# KiCad board PiEEG.kicad_pcb (continued)
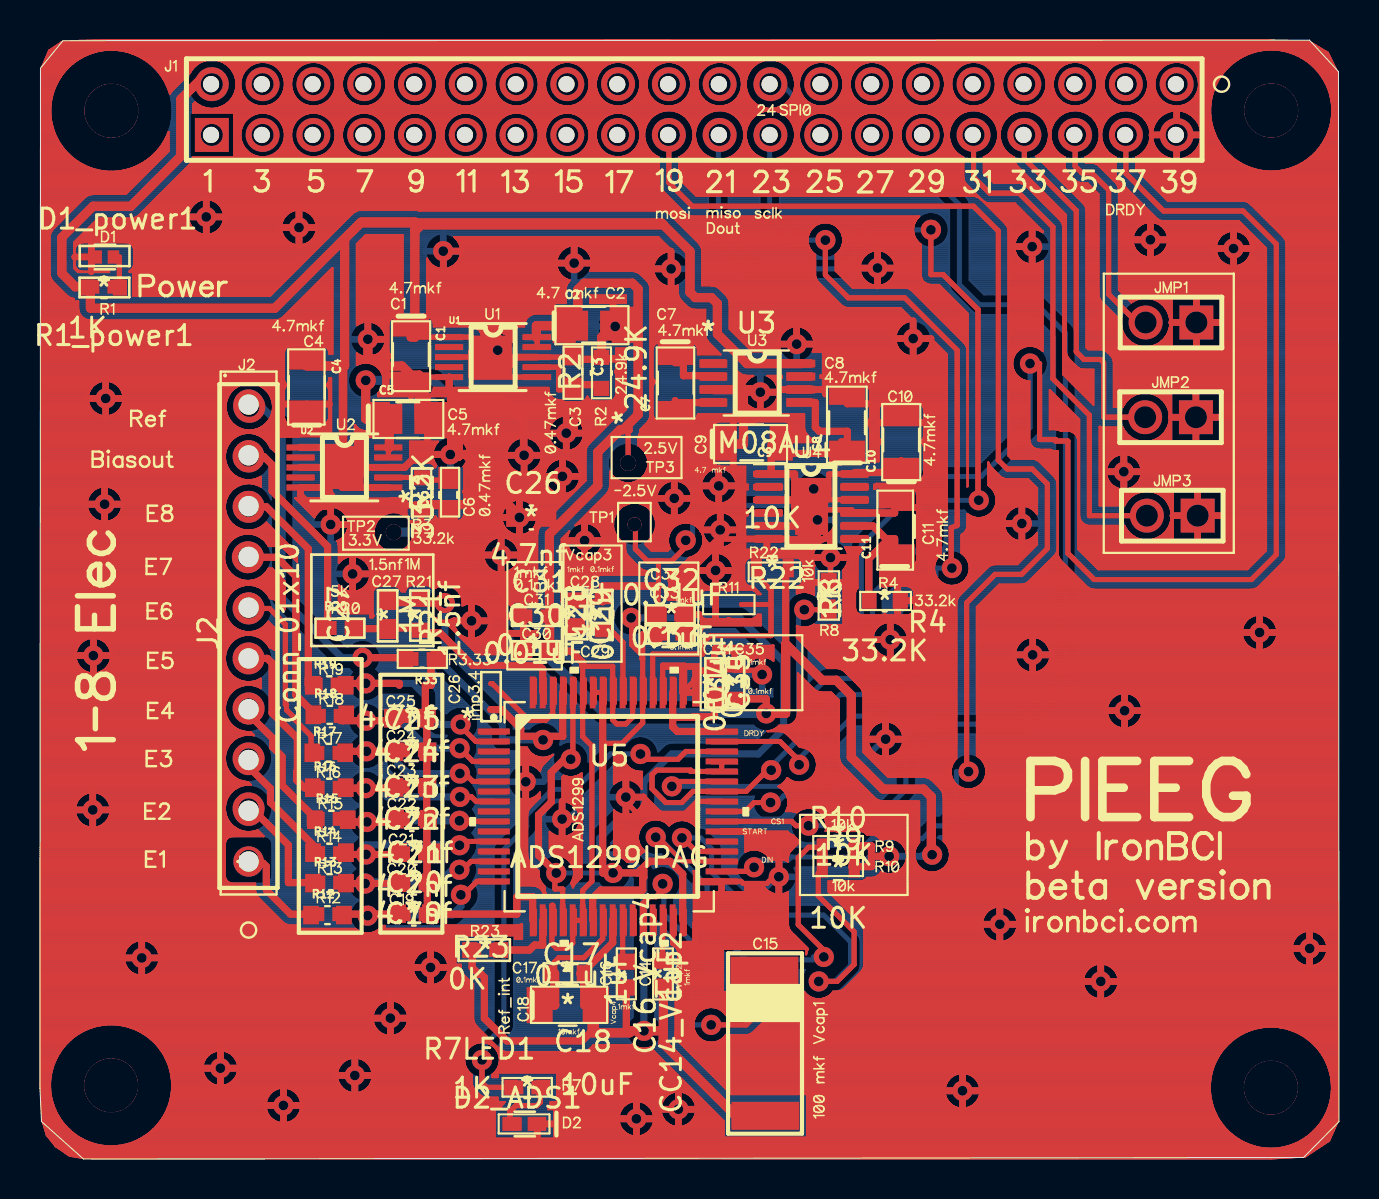
[diagram p0: board, top side]
## Routing (per net, layer and track width the routed paths; a pad name or vN(x,y) marks a point on that pad's centre or on a via; arc(x,y) is an arc through that point) (continued)
31.88,52.39 ; 32.06,52.31 32.15,52.26 ; 32.06,52.31 32.15,52.26 ; 54.73,33.66 54.67,33.62 ; 54.73,33.66 54.67,33.62 ; 54.73,33.66 54.78,33.7 ; 54.73,33.66 54.78,33.7 ; 54.67,33.62 54.61,33.58 ; 54.67,33.62 54.61,33.58 ; 10.41,28.92 10.31,28.93 ; 10.41,28.92 10.31,28.93 ; 10.41,28.92 10.51,28.93 ; 10.41,28.92 10.51,28.93 ; 10.31,28.93 10.21,28.94 ; 10.31,28.93 10.21,28.94 ; 12.26,40.52 12.29,40.57 ; 12.26,40.52 12.29,40.57 ; 12.26,40.52 12.23,40.47 ; 12.26,40.52 12.23,40.47 ; 12.29,40.57 12.34,40.61 ; 12.29,40.57 12.34,40.61 ; 15.07,31.02 15.01,30.99 ; 15.07,31.02 15.01,30.99 ; 15.07,31.02 15.12,31.07 ; 15.07,31.02 15.12,31.07 ; 15.01,30.99 14.95,30.95 ; 15.01,30.99 14.95,30.95 ; 57.21,52.42 57.28,52.39 ; 57.21,52.42 57.28,52.39 ; 57.28,52.39 57.36,52.36 ; 57.28,52.39 57.36,52.36 ; 26.47,37.2 26.54,37.18 ; 26.47,37.2 26.54,37.18 ; 26.47,37.2 26.4,37.2 ; 26.47,37.2 26.4,37.2 ; 26.54,37.18 26.61,37.16 ; 26.54,37.18 26.61,37.16 ; 11.89,1.84 11.83,1.86 ; 11.89,1.84 11.96,1.82 ; 11.89,1.84 11.96,1.82 ; 11.89,1.84 11.83,1.86 ; 11.83,1.86 11.77,1.89 ; 11.83,1.86 11.77,1.89 ; 21.48,5.58 21.51,5.62 ; 21.48,5.58 21.44,5.55 ; 21.48,5.58 21.51,5.62 ; 21.48,5.58 21.44,5.55 ; 21.51,5.62 21.55,5.65 ; 21.51,5.62 21.55,5.65 ; 28.11,53 28.04,53.08 ; 28.11,53 28.04,53.08 ; 28.04,53.08 27.99,53.16 ; 28.04,53.08 27.99,53.16 ; 52.3,9.36 52.34,9.42 ; 52.3,9.36 52.27,9.3 ; 52.3,9.36 52.27,9.3 ; 52.3,9.36 52.34,9.42 ; 52.34,9.42 52.39,9.47 ; 52.34,9.42 52.39,9.47 ; 11.03,31.11 11.12,31.05 ; 11.03,31.11 11.12,31.05 ; 11.03,31.11 10.95,31.16 ; 11.03,31.11 10.95,31.16 ; 11.12,31.05 11.19,30.98 ; 11.12,31.05 11.19,30.98 ; 33.64,36.55 33.64,35.62 33.64,36.55 ; 12.01,51.93 12.07,51.85 ; 12.01,51.93 11.94,52 ; 12.01,51.93 12.07,51.85 ; 12.01,51.93 11.94,52 ; 12.07,51.85 12.12,51.76 ; 12.07,51.85 12.12,51.76 ; 54.02,54.85 54.12,54.87 ; 54.02,54.85 53.92,54.82 ; 54.02,54.85 53.92,54.82 ; 54.02,54.85 54.12,54.87 ; 49.02,24.6 48.97,24.65 ; 49.02,24.6 48.97,24.65 ; 16.64,6.92 16.66,6.85 ; 16.64,6.92 16.66,6.85 ; 42.24,45.4 42.3,45.37 ; 42.24,45.4 42.18,45.42 ; 42.24,45.4 42.3,45.37 ; 42.24,45.4 42.18,45.42 ; 42.3,45.37 42.36,45.33 ; 42.3,45.37 42.36,45.33 ; 64.3,10.12 64.26,10.06 ; 64.3,10.12 64.26,10.06 ; 44.2,19.12 44.25,19.12 ; 44.2,19.12 42.42,19.12 ; 44.2,19.12 44.25,19.12 ; 44.2,19.12 42.42,19.12 ; 44.25,19.12 44.29,19.11 ; 44.25,19.12 44.29,19.11 ; 18.18,52.82 18.27,52.77 ; 18.18,52.82 18.27,52.77 ; 50.09,50.34 50.01,50.27 ; 50.09,50.34 50.16,50.41 ; 50.09,50.34 50.16,50.41 ; 50.09,50.34 50.01,50.27 ; 50.01,50.27 49.93,50.21 ; 50.01,50.27 49.93,50.21 ; 41.76,45.46 41.83,45.46 ; 41.76,45.46 41.69,45.44 ; 41.76,45.46 41.83,45.46 ; 41.76,45.46 41.69,45.44 ; 41.83,45.46 41.9,45.47 ; 41.83,45.46 41.9,45.47 ; 29.13,18.98 29.2,18.99 ; 29.13,18.98 29.06,18.96 ; 29.13,18.98 29.2,18.99 ; 29.13,18.98 29.06,18.96 ; 23.28,31.09 23.35,31.07 ; 23.28,31.09 23.35,31.07 ; 2.39,24.34 2.32,24.37 ; 2.39,24.34 2.45,24.32 ; 2.39,24.34 2.45,24.32 ; 2.39,24.34 2.32,24.37 ; 2.32,24.37 2.26,24.4 ; 2.32,24.37 2.26,24.4 ; 11.93,30.66 11.97,30.65 ; 11.93,30.66 11.97,30.65 ; 11.93,30.66 11.89,30.67 ; 11.93,30.66 11.89,30.67 ; 11.97,30.65 12.02,30.64 ; 11.97,30.65 12.02,30.64 ; 1.11,50.63 1.03,50.75 ; 1.11,50.63 1.03,50.75 ; 1.11,50.63 1.21,50.51 ; 1.11,50.63 1.21,50.51 ; 1.03,50.75 0.95,50.88 ; 1.03,50.75 0.95,50.88 ; 58.73,53.54 58.79,53.68 ; 58.73,53.54 58.79,53.68 ; 58.73,53.54 58.68,53.4 ; 58.73,53.54 58.68,53.4 ; 58.79,53.68 58.85,53.81 ; 58.79,53.68 58.85,53.81 ; 31.87,9.21 31.9,9.15 ; 31.87,9.21 31.87,9.26 ; 31.87,9.21 31.9,9.15 ; 31.87,9.21 31.87,9.26 ; 31.9,9.15 31.91,9.1 ; 31.9,9.15 31.91,9.1 ; 2.38,32.49 2.36,32.56 ; 2.38,32.49 2.4,32.43 ; 2.38,32.49 2.4,32.43 ; 2.38,32.49 2.36,32.56 ; 2.36,32.56 2.35,32.63 ; 2.36,32.56 2.35,32.63 ; 30.71,2.15 30.72,2.08 ; 30.71,2.15 30.72,2.08 ; 30.71,2.15 30.7,2.22 ; 30.71,2.15 30.7,2.22 ; 30.72,2.08 30.72,2.01 ; 30.72,2.08 30.72,2.01 ; 33.09,50.39 33.03,50.47 ; 33.09,50.39 33.16,50.32 ; 33.09,50.39 33.16,50.32 ; 33.09,50.39 33.03,50.47 ; 33.03,50.47 32.97,50.55 ; 33.03,50.47 32.97,50.55 ; 3.43,38.93 3.5,38.91 ; 3.43,38.93 3.36,38.94 ; 3.43,38.93 3.5,38.91 ; 3.43,38.93 3.36,38.94 ; 3.5,38.91 3.57,38.89 ; 3.5,38.91 3.57,38.89 ; 20.36,9.92 20.39,9.86 ; 20.36,9.92 20.34,9.98 ; 20.36,9.92 20.34,9.98 ; 20.36,9.92 20.39,9.86 ; 19.77,34.61 19.8,34.66 ; 19.77,34.61 19.77,34.61 ; 19.77,34.61 19.77,34.61 ; 19.77,34.61 19.8,34.66 ; 19.8,34.66 19.81,34.69 ; 19.8,34.66 19.81,34.69 ; 35.27,39.19 35.22,39.2 ; 35.27,39.19 35.32,39.18 ; 35.27,39.19 35.32,39.18 ; 35.27,39.19 35.22,39.2 ; 35.22,39.2 35.18,39.21 ; 35.22,39.2 35.18,39.21 ; 46.53,52.46 46.63,52.47 ; 46.53,52.46 46.63,52.47 ; 4.11,32.61 4.1,32.54 ; 4.11,32.61 4.12,32.68 ; 4.11,32.61 4.1,32.54 ; 4.11,32.61 4.12,32.68 ; 4.1,32.54 4.08,32.48 ; 4.1,32.54 4.08,32.48 ; 34.57,52.82 34.48,52.77 ; 34.57,52.82 34.48,52.77 ; 60.18,6.29 60.32,6.36 ; 60.18,6.29 60.05,6.22 ; 60.18,6.29 60.05,6.22 ; 60.18,6.29 60.32,6.36 ; 60.32,6.36 60.46,6.41 ; 60.32,6.36 60.46,6.41 ; 9.46,34.47 9.41,34.55 ; 9.46,34.47 9.41,34.55 ; 9.41,34.55 9.36,34.64 ; 9.41,34.55 9.36,34.64 ; 2.57,38.58 2.53,38.52 ; 2.57,38.58 2.53,38.52 ; 10.39,33.96 10.29,33.97 ; 10.39,33.96 10.49,33.96 ; 10.39,33.96 10.49,33.96 ; 10.39,33.96 10.29,33.97 ; 43.76,46.87 43.78,46.92 ; 43.76,46.87 43.74,46.83 ; 43.76,46.87 43.78,46.92 ; 43.76,46.87 43.74,46.83 ; 43.78,46.92 43.81,46.96 ; 43.78,46.92 43.81,46.96 ; 46.76,32.09 46.71,32.1 ; 46.76,32.09 46.81,32.08 ; 46.76,32.09 46.71,32.1 ; 46.76,32.09 46.81,32.08 ; 46.71,32.1 46.66,32.12 ; 46.71,32.1 46.66,32.12 ; 3.02,44.4 2.09,44.4 ; 3.02,44.4 3.07,44.4 ; 3.02,44.4 2.09,44.4 ; 3.02,44.4 3.07,44.4 ; 2.09,44.4 2.05,44.4 ; 2.09,44.4 2.05,44.4 ; 52.26,54.78 52.35,54.73 ; 52.26,54.78 52.17,54.82 ; 52.26,54.78 52.17,54.82 ; 52.26,54.78 52.35,54.73 ; 59.01,50.81 58.94,50.93 ; 59.01,50.81 58.94,50.93 ; 58.94,50.93 58.86,51.07 ; 58.94,50.93 58.86,51.07 ; 24.7,32.62 24.74,32.56 ; 24.7,32.62 24.66,32.67 ; 24.7,32.62 24.74,32.56 ; 24.7,32.62 24.66,32.67 ; 24.74,32.56 24.78,32.5 ; 24.74,32.56 24.78,32.5 ; 10,34.04 9.91,34.08 ; 10,34.04 9.91,34.08 ; 9.91,34.08 9.82,34.13 ; 9.91,34.08 9.82,34.13 ; 49.04,30.91 48.97,30.91 ; 49.04,30.91 48.97,30.91 ; 49.04,30.91 49.11,30.9 ; 49.04,30.91 49.11,30.9 ; 48.97,30.91 48.91,30.93 ; 48.97,30.91 48.91,30.93 ; 31.47,30.61 31.46,30.66 ; 31.47,30.61 31.5,30.55 ; 31.47,30.61 31.5,30.55 ; 31.47,30.61 31.46,30.66 ; 31.46,30.66 31.44,30.7 ; 31.46,30.66 31.44,30.7 ; 0.97,5.31 1.05,5.43 ; 0.97,5.31 1.05,5.43 ; 56.42,46.12 56.43,46.05 ; 56.42,46.12 56.43,46.05 ; 7.97,46.31 7.9,46.34 ; 7.97,46.31 8.03,46.29 ; 7.97,46.31 8.03,46.29 ; 7.97,46.31 7.9,46.34 ; 10.4,21.23 10.5,21.23 ; 10.4,21.23 10.5,21.23 ; 10.4,21.23 10.31,21.22 ; 10.4,21.23 10.31,21.22 ; 10.5,21.23 10.6,21.22 ; 10.5,21.23 10.6,21.22 ; 20.19,53.62 20.18,53.72 ; 20.19,53.62 20.21,53.53 ; 20.19,53.62 20.21,53.53 ; 20.19,53.62 20.18,53.72 ; 20.18,53.72 20.18,53.82 ; 20.18,53.72 20.18,53.82 ; 40.96,50.33 41.04,50.28 ; 40.96,50.33 41.04,50.28 ; 37.14,52.31 37.23,52.26 ; 37.14,52.31 37.23,52.26 ; 51.14,52.29 51.23,52.34 ; 51.14,52.29 51.06,52.24 ; 51.14,52.29 51.23,52.34 ; 51.14,52.29 51.06,52.24 ; 51.23,52.34 51.32,52.38 ; 51.23,52.34 51.32,52.38 ; 15.08,28.57 15.03,28.62 ; 15.08,28.57 15.14,28.53 ; 15.08,28.57 15.03,28.62 ; 15.08,28.57 15.14,28.53 ; 15.03,28.62 14.98,28.67 ; 15.03,28.62 14.98,28.67 ; 21.6,4.22 21.56,4.26 ; 21.6,4.22 21.6,3.87 ; 21.6,4.22 21.6,3.87 ; 21.6,4.22 21.56,4.26 ; 21.56,4.26 21.52,4.29 ; 21.56,4.26 21.52,4.29 ; 38.27,52 38.2,51.93 ; 38.27,52 38.2,51.93 ; 60.16,44.79 60.1,44.75 ; 60.16,44.79 60.1,44.75 ; 63.96,9.77 63.9,9.73 ; 63.96,9.77 64.02,9.81 ; 63.96,9.77 64.02,9.81 ; 63.96,9.77 63.9,9.73 ; 63.9,9.73 63.84,9.71 ; 63.9,9.73 63.84,9.71 ; 25.39,51.76 25.45,51.85 ; 25.39,51.76 25.45,51.85 ; 25.45,51.85 25.5,51.93 ; 25.45,51.85 25.5,51.93 ; 55.75,35.97 55.84,36.02 ; 55.75,35.97 55.84,36.02 ; 9.43,5.34 9.49,5.3 ; 9.43,5.34 9.37,5.37 ; 9.43,5.34 9.37,5.37 ; 9.43,5.34 9.49,5.3 ; 9.49,5.3 9.55,5.26 ; 9.49,5.3 9.55,5.26 ; 39.81,13.9 39.75,13.89 ; 39.81,13.9 39.75,13.89 ; 49.97,52.94 49.89,52.87 ; 49.97,52.94 50.04,53 ; 49.97,52.94 49.89,52.87 ; 49.97,52.94 50.04,53 ; 49.89,52.87 49.81,52.82 ; 49.89,52.87 49.81,52.82 ; 31.96,29.56 31.94,29.54 ; 31.96,29.56 31.94,29.54 ; 31.96,29.56 32.48,30.08 ; 31.96,29.56 32.48,30.08 ; 35.4,32.44 35.28,32.44 ; 35.4,32.44 35.4,32.21 ; 35.4,32.44 35.28,32.44 ; 35.4,32.44 35.4,32.21 ; 35.28,32.44 35.28,33.51 ; 35.28,32.44 35.28,33.51 ; 49.68,35.03 49.72,35.03 ; 49.68,35.03 49.64,35.03 ; 49.68,35.03 49.64,35.03 ; 49.68,35.03 49.72,35.03 ; 49.72,35.03 49.76,35.02 ; 49.72,35.03 49.76,35.02 ; 33.66,25.26 33.71,25.26 ; 33.66,25.26 33.71,25.26 ; 29.11,52.33 29.21,52.31 ; 29.11,52.33 29.02,52.34 ; 29.11,52.33 29.02,52.34 ; 29.11,52.33 29.21,52.31 ; 29.21,52.31 29.31,52.28 ; 29.21,52.31 29.31,52.28 ; 47.03,3.33 47.02,3.26 ; 47.03,3.33 47.03,3.4 ; 47.03,3.33 47.02,3.26 ; 47.03,3.33 47.03,3.4 ; 47.02,3.26 47.01,3.2 ; 47.02,3.26 47.01,3.2 ; 50.29,25.85 50.33,25.8 ; 50.29,25.85 50.24,25.9 ; 50.29,25.85 50.24,25.9 ; 50.29,25.85 50.33,25.8 ; 62.26,0.6 62.11,0.57 ; 62.26,0.6 62.11,0.57 ; 31.35,16.8 31.39,16.77 ; 31.35,16.8 31.31,16.83 ; 31.35,16.8 31.39,16.77 ; 31.35,16.8 31.31,16.83 ; 31.39,16.77 31.43,16.74 ; 31.39,16.77 31.43,16.74 ; 35.31,51.11 35.3,51.21 ; 35.31,51.11 35.3,51.21 ; 35.31,51.11 35.32,51.01 ; 35.31,51.11 35.32,51.01 ; 34.35,32.88 34.28,32.85 ; 34.35,32.88 34.41,32.91 ; 34.35,32.88 34.41,32.91 ; 34.35,32.88 34.28,32.85 ; 54.97,34.84 55.01,34.78 ; 54.97,34.84 55.01,34.78 ; 54.97,34.84 54.94,34.9 ; 54.97,34.84 54.94,34.9 ; 55.01,34.78 55.04,34.72 ; 55.01,34.78 55.04,34.72 ; 26.67,52.31 26.77,52.28 ; 26.67,52.31 26.57,52.33 ; 26.67,52.31 26.77,52.28 ; 26.67,52.31 26.57,52.33 ; 26.77,52.28 26.86,52.24 ; 26.77,52.28 26.86,52.24 ; 26.12,37.18 26.19,37.2 ; 26.12,37.18 26.19,37.2 ; 26.12,37.18 26.06,37.17 ; 26.12,37.18 26.06,37.17 ; 26.19,37.2 26.26,37.2 ; 26.19,37.2 26.26,37.2 ; 55.01,50.21 54.93,50.16 ; 55.01,50.21 55.09,50.27 ; 55.01,50.21 54.93,50.16 ; 55.01,50.21 55.09,50.27 ; 54.93,50.16 54.84,50.12 ; 54.93,50.16 54.84,50.12 ; 56.23,37.9 56.29,37.82 ; 56.23,37.9 56.16,37.97 ; 56.23,37.9 56.16,37.97 ; 56.23,37.9 56.29,37.82 ; 56.29,37.82 56.34,37.73 ; 56.29,37.82 56.34,37.73 ; 49.21,46.44 49.27,46.47 ; 49.21,46.44 49.27,46.47 ; 49.21,46.44 49.15,46.4 ; 49.21,46.44 49.15,46.4 ; 49.27,46.47 49.34,46.49 ; 49.27,46.47 49.34,46.49 ; 1.77,17.68 1.79,17.75 ; 1.77,17.68 1.76,17.61 ; 1.77,17.68 1.76,17.61 ; 1.77,17.68 1.79,17.75 ; 1.79,17.75 1.82,17.81 ; 1.79,17.75 1.82,17.81 ; 30.02,16.53 30.04,16.57 ; 30.02,16.53 29.99,16.49 ; 30.02,16.53 29.99,16.49 ; 30.02,16.53 30.04,16.57 ; 30.04,16.57 30.07,16.62 ; 30.04,16.57 30.07,16.62 ; 47.74,12.6 47.81,12.61 ; 47.74,12.6 47.67,12.57 ; 47.74,12.6 47.67,12.57 ; 47.74,12.6 47.81,12.61 ; 47.81,12.61 47.88,12.63 ; 47.81,12.61 47.88,12.63 ; 2.41,33.11 2.44,33.17 ; 2.41,33.11 2.39,33.04 ; 2.41,33.11 2.39,33.04 ; 2.41,33.11 2.44,33.17 ; 2.44,33.17 2.47,33.23 ; 2.44,33.17 2.47,33.23 ; 46.44,32.23 46.39,32.27 ; 46.44,32.23 46.48,32.2 ; 46.44,32.23 46.48,32.2 ; 46.44,32.23 46.39,32.27 ; 46.39,32.27 46.39,31.69 ; 46.39,32.27 46.39,31.69 ; 37.85,16.01 37.81,16.04 ; 37.85,16.01 37.81,16.04 ; 37.85,16.01 37.89,15.98 ; 37.85,16.01 37.89,15.98 ; 37.81,16.04 37.78,16.08 ; 37.81,16.04 37.78,16.08 ; 49.47,52.45 49.57,52.42 ; 49.47,52.45 49.57,52.42 ; 49.47,52.45 49.37,52.46 ; 49.47,52.45 49.37,52.46 ; 49.57,52.42 49.66,52.39 ; 49.57,52.42 49.66,52.39 ; 36.71,21.49 36.67,21.47 ; 36.71,21.49 36.67,21.47 ; 36.71,21.49 36.76,21.51 ; 36.71,21.49 36.76,21.51 ; 36.67,21.47 36.62,21.45 ; 36.67,21.47 36.62,21.45 ; 37.52,54.52 37.45,54.6 ; 37.52,54.52 37.45,54.6 ; 25.71,38.03 25.68,38.05 ; 25.71,38.03 25.75,38.01 ; 25.71,38.03 25.68,38.05 ; 25.71,38.03 25.75,38.01 ; 25.68,38.05 25.64,38.07 ; 25.68,38.05 25.64,38.07 ; 3.05,0.68 2.91,0.7 ; 3.05,0.68 2.91,0.7 ; 50.15,40.42 50.15,44.93 ; 50.15,40.42 50.15,44.93 ; 50.15,40.42 50.11,40.46 ; 50.15,40.42 50.11,40.46 ; 50.15,44.93 50.1,44.89 ; 50.15,44.93 50.1,44.89 ; 16.7,52.77 16.61,52.73 ; 16.7,52.77 16.79,52.82 ; 16.7,52.77 16.61,52.73 ; 16.7,52.77 16.79,52.82 ; 16.61,52.73 16.51,52.7 ; 16.61,52.73 16.51,52.7 ; 32.62,33.05 32.62,33.04 ; 32.62,33.05 32.62,33.12 ; 32.62,33.05 32.62,33.04 ; 32.62,33.05 32.62,33.12 ; 32.62,33.04 32.61,32.97 ; 32.62,33.04 32.61,32.97 ; 17.12,11.67 17.09,11.62 ; 17.12,11.67 17.09,11.62 ; 17.12,11.67 17.25,11.67 ; 17.12,11.67 17.25,11.67 ; 17.09,11.62 17.05,11.58 ; 17.09,11.62 17.05,11.58 ; 35.62,37.57 35.56,37.61 ; 35.62,37.57 35.56,37.61 ; 35.62,37.57 35.68,37.54 ; 35.62,37.57 35.68,37.54 ; 35.56,37.61 35.5,37.65 ; 35.56,37.61 35.5,37.65 ; 30.11,5.52 30.06,5.53 ; 30.11,5.52 30.16,5.52 ; 30.11,5.52 30.16,5.52 ; 30.11,5.52 30.06,5.53 ; 30.06,5.53 30.01,5.54 ; 30.06,5.53 30.01,5.54 ; 16.61,3.96 16.59,3.9 ; 16.61,3.96 16.63,4.03 ; 16.61,3.96 16.63,4.03 ; 16.61,3.96 16.59,3.9 ; 16.59,3.9 16.57,3.83 ; 16.59,3.9 16.57,3.83 ; 2,16.84 1.96,16.89 ; 2,16.84 2.05,16.79 ; 2,16.84 1.96,16.89 ; 2,16.84 2.05,16.79 ; 1.96,16.89 1.91,16.95 ; 1.96,16.89 1.91,16.95 ; 21.13,27.69 21.19,27.72 ; 21.13,27.69 21.19,27.72 ; 21.13,27.69 21.14,27.77 ; 21.13,27.69 21.14,27.77 ; 21.19,27.72 21.25,27.75 ; 21.19,27.72 21.25,27.75 ; 17.59,6.16 17.52,6.16 ; 17.59,6.16 17.66,6.17 ; 17.59,6.16 17.66,6.17 ; 17.59,6.16 17.52,6.16 ; 17.52,6.16 17.45,6.16 ; 17.52,6.16 17.45,6.16 ; 10.88,23.95 10.79,23.91 ; 10.88,23.95 10.97,23.99 ; 10.88,23.95 10.97,23.99 ; 10.88,23.95 10.79,23.91 ; 10.79,23.91 10.69,23.89 ; 10.79,23.91 10.69,23.89 ; 47.21,52.35 47.3,52.31 ; 47.21,52.35 47.12,52.39 ; 47.21,52.35 47.3,52.31 ; 47.21,52.35 47.12,52.39 ; 35.31,53.95 35.3,53.85 ; 35.31,53.95 35.3,53.85 ; 29.94,15.85 29.93,15.9 ; 29.94,15.85 29.93,15.9 ; 29.94,15.85 29.96,15.81 ; 29.94,15.85 29.96,15.81 ; 29.93,15.9 29.92,15.95 ; 29.93,15.9 29.92,15.95 ; 60.79,49.51 60.64,49.55 ; 60.79,49.51 60.93,49.47 ; 60.79,49.51 60.93,49.47 ; 60.79,49.51 60.64,49.55 ; 60.64,49.55 60.5,49.6 ; 60.64,49.55 60.5,49.6 ; 57.89,51.9 57.94,51.83 ; 57.89,51.9 57.85,51.97 ; 57.89,51.9 57.94,51.83 ; 57.89,51.9 57.85,51.97 ; 57.94,51.83 57.97,51.76 ; 57.94,51.83 57.97,51.76 ; 12.86,3.26 12.9,3.2 ; 12.86,3.26 12.9,3.2 ; 12.86,3.26 12.81,3.31 ; 12.86,3.26 12.81,3.31 ; 12.9,3.2 12.94,3.14 ; 12.9,3.2 12.94,3.14 ; 18.67,9.38 18.69,9.32 ; 18.67,9.38 18.69,9.32 ; 32.96,30.36 33,30.4 ; 32.96,30.36 33,30.4 ; 29.91,16.15 29.91,16.2 ; 29.91,16.15 29.91,16.1 ; 29.91,16.15 29.91,16.2 ; 29.91,16.15 29.91,16.1 ; 29.91,16.2 29.92,16.25 ; 29.91,16.2 29.92,16.25 ; 53.04,40.51 53.08,40.51 ; 53.04,40.51 52.43,40.51 ; 53.04,40.51 53.08,40.51 ; 53.04,40.51 52.43,40.51 ; 53.08,40.51 53.12,40.51 ; 53.08,40.51 53.12,40.51 ; 35.75,37.52 35.68,37.54 ; 35.75,37.52 35.81,37.5 ; 35.75,37.52 35.81,37.5 ; 35.75,37.52 35.68,37.54 ; 44.28,14.4 44.24,14.42 ; 44.28,14.4 44.24,14.42 ; 44.24,14.42 44.19,14.44 ; 44.24,14.42 44.19,14.44 ; 53,32.7 54.24,32.7 ; 53,32.7 53,36.61 ; 53,32.7 53,36.61 ; 53,32.7 54.24,32.7 ; 54.24,32.7 54.29,32.78 ; 54.24,32.7 54.29,32.78 ; 12.32,38.7 12.34,38.72 ; 12.32,38.7 12.29,38.67 ; 12.32,38.7 12.34,38.72 ; 12.32,38.7 12.29,38.67 ; 42.89,40.63 42.86,40.69 ; 42.89,40.63 42.86,40.69 ; 42.89,40.63 42.92,40.57 ; 42.89,40.63 42.92,40.57 ; 42.86,40.69 42.83,40.76 ; 42.86,40.69 42.83,40.76 ; 36.16,13.72 36.13,13.79 ; 36.16,13.72 36.13,13.79 ; 36.16,13.72 36.19,13.66 ; 36.16,13.72 36.19,13.66 ; 36.13,13.79 36.12,13.8 ; 36.13,13.79 36.12,13.8 ; 32.24,31.84 32.29,31.85 ; 32.24,31.84 32.29,31.85 ; 32.24,31.84 32.19,31.84 ; 32.24,31.84 32.19,31.84 ; 32.29,31.85 32.34,31.84 ; 32.29,31.85 32.34,31.84 ; 33.95,30.58 33.88,30.59 ; 33.95,30.58 33.88,30.59 ; 33.95,30.58 34.02,30.58 ; 33.95,30.58 34.02,30.58 ; 52.19,31.77 52.16,31.8 ; 52.19,31.77 52.22,31.75 ; 52.19,31.77 52.16,31.8 ; 52.19,31.77 52.22,31.75 ; 52.16,31.8 52.13,31.83 ; 52.16,31.8 52.13,31.83 ; 26.09,31.02 26.47,31.4 ; 26.09,31.02 26.47,31.4 ; 57.97,51.76 58,51.69 ; 57.97,51.76 58,51.69 ; 58,51.69 58.03,51.61 ; 58,51.69 58.03,51.61 ; 16.54,11.3 16.49,11.29 ; 16.54,11.3 16.59,11.31 ; 16.54,11.3 16.49,11.29 ; 16.54,11.3 16.59,11.31 ; 16.49,11.29 16.44,11.29 ; 16.49,11.29 16.44,11.29 ; 12.65,51.67 12.69,51.76 ; 12.65,51.67 12.69,51.76 ; 12.65,51.67 12.62,51.58 ; 12.65,51.67 12.62,51.58 ; 12.69,51.76 12.75,51.85 ; 12.69,51.76 12.75,51.85 ; 18.86,50.12 18.76,50.12 ; 18.86,50.12 18.95,50.14 ; 18.86,50.12 18.95,50.14 ; 18.86,50.12 18.76,50.12 ; 18.76,50.12 18.66,50.12 ; 18.76,50.12 18.66,50.12 ; 14.73,33.2 14.7,33.23 ; 14.73,33.2 14.7,33.23 ; 21.3,52.66 21.2,52.66 ; 21.3,52.66 21.2,52.66 ; 9.43,30.79 9.49,30.87 ; 9.43,30.79 9.38,30.71 ; 9.43,30.79 9.38,30.71 ; 9.43,30.79 9.49,30.87 ; 9.49,30.87 9.56,30.94 ; 9.49,30.87 9.56,30.94 ; 49.22,40.64 49.27,40.65 ; 49.22,40.64 49.18,40.62 ; 49.22,40.64 49.18,40.62 ; 49.22,40.64 49.27,40.65 ; 49.27,40.65 49.32,40.67 ; 49.27,40.65 49.32,40.67 ; 48.3,52.04 48.37,52.11 ; 48.3,52.04 48.24,51.96 ; 48.3,52.04 48.37,52.11 ; 48.3,52.04 48.24,51.96 ; 48.37,52.11 48.44,52.18 ; 48.37,52.11 48.44,52.18 ; 26.59,35.46 26.52,35.45 ; 26.59,35.46 26.66,35.49 ; 26.59,35.46 26.52,35.45 ; 26.59,35.46 26.66,35.49 ; 26.52,35.45 26.46,35.43 ; 26.52,35.45 26.46,35.43 ; 33.49,30.76 33.44,30.8 ; 33.49,30.76 33.55,30.72 ; 33.49,30.76 33.55,30.72 ; 33.49,30.76 33.44,30.8 ; 33.44,30.8 33.39,30.85 ; 33.44,30.8 33.39,30.85 ; 25.11,35.2 25.1,35.13 ; 25.11,35.2 25.1,35.13 ; 25.1,35.13 25.09,35.06 ; 25.1,35.13 25.09,35.06 ; 53.97,21.58 53.9,21.61 ; 53.97,21.58 54.03,21.56 ; 53.97,21.58 53.9,21.61 ; 53.97,21.58 54.03,21.56 ; 53.9,21.61 53.84,21.64 ; 53.9,21.61 53.84,21.64 ; 40.1,8.43 40.07,8.41 ; 40.1,8.43 40.14,8.45 ; 40.1,8.43 40.14,8.45 ; 40.1,8.43 40.07,8.41 ; 40.07,8.41 40.03,8.4 ; 40.07,8.41 40.03,8.4 ; 30.03,1.14 29.96,1.13 ; 30.03,1.14 30.1,1.16 ; 30.03,1.14 30.1,1.16 ; 30.03,1.14 29.96,1.13 ; 29.96,1.13 29.89,1.12 ; 29.96,1.13 29.89,1.12 ; 37.8,17.36 37.84,17.34 ; 37.8,17.36 37.84,17.34 ; 37.8,17.36 37.76,17.38 ; 37.8,17.36 37.76,17.38 ; 37.84,17.34 37.88,17.37 ; 37.84,17.34 37.88,17.37 ; 23.07,2.65 23.09,2.68 ; 23.07,2.65 23.05,2.61 ; 23.07,2.65 23.09,2.68 ; 23.07,2.65 23.05,2.61 ; 23.09,2.68 23.12,2.71 ; 23.09,2.68 23.12,2.71 ; 39.1,8.01 39.05,8 ; 39.1,8.01 39.15,8.02 ; 39.1,8.01 39.05,8 ; 39.1,8.01 39.15,8.02 ; 39.05,8 39,8 ; 39.05,8 39,8 ; 24.96,20.1 24.92,20.11 ; 24.96,20.1 25.01,20.09 ; 24.96,20.1 25.01,20.09 ; 24.96,20.1 24.92,20.11 ; 24.92,20.11 24.87,20.12 ; 24.92,20.11 24.87,20.12 ; 38.74,30.49 38.78,30.55 ; 38.74,30.49 38.78,30.55 ; 3.18,44.43 3.14,44.42 ; 3.18,44.43 3.22,44.45 ; 3.18,44.43 3.14,44.42 ; 3.18,44.43 3.22,44.45 ; 3.14,44.42 3.11,44.41 ; 3.14,44.42 3.11,44.41 ; 23.1,5.41 23.06,5.43 ; 23.1,5.41 23.06,5.43 ; 24.47,42.18 24.51,42.21 ; 24.47,42.18 24.51,42.21 ; 24.47,42.18 24.43,42.15 ; 24.47,42.18 24.43,42.15 ; 43.85,31.49 43.87,31.44 ; 43.85,31.49 43.87,31.44 ; 43.87,31.44 43.88,31.38 ; 43.87,31.44 43.88,31.38 ; 35.5,37.65 35.44,37.69 ; 35.5,37.65 35.44,37.69 ; 35.44,37.69 35.39,37.74 ; 35.44,37.69 35.39,37.74 ; 9.36,24.54 9.32,24.63 ; 9.36,24.54 9.41,24.45 ; 9.36,24.54 9.32,24.63 ; 9.36,24.54 9.41,24.45 ; 9.32,24.63 9.29,24.73 ; 9.32,24.63 9.29,24.73 ; 38.86,19.78 38.86,19.73 ; 38.86,19.78 38.86,19.73 ; 38.86,19.78 38.86,19.83 ; 38.86,19.78 38.86,19.83 ; 38.86,19.73 38.86,19.68 ; 38.86,19.73 38.86,19.68 ; 43.86,52.31 43.96,52.33 ; 43.86,52.31 43.76,52.28 ; 43.86,52.31 43.76,52.28 ; 43.86,52.31 43.96,52.33 ; 60.34,47.91 60.38,47.9 ; 60.34,47.91 60.3,47.92 ; 60.34,47.91 60.38,47.9 ; 60.34,47.91 60.3,47.92 ; 60.38,47.9 60.42,47.88 ; 60.38,47.9 60.42,47.88 ; 48.29,12.59 48.36,12.57 ; 48.29,12.59 48.22,12.61 ; 48.29,12.59 48.22,12.61 ; 48.29,12.59 48.36,12.57 ; 48.36,12.57 48.42,12.54 ; 48.36,12.57 48.42,12.54 ; 42.52,25.09 42.45,25.09 ; 42.52,25.09 42.59,25.09 ; 42.52,25.09 42.45,25.09 ; 42.52,25.09 42.59,25.09 ; 42.45,25.09 42.38,25.1 ; 42.45,25.09 42.38,25.1 ; 47.91,51.44 47.93,51.34 ; 47.91,51.44 47.89,51.53 ; 47.91,51.44 47.93,51.34 ; 47.91,51.44 47.89,51.53 ; 21.25,5.2 21.27,5.25 ; 21.25,5.2 21.27,5.25 ; 21.25,5.2 21.24,5.15 ; 21.25,5.2 21.24,5.15 ; 21.27,5.25 21.28,5.29 ; 21.27,5.25 21.28,5.29 ; 34.41,43.11 